# KiCad board hoember_panel.kicad_pcb (continued)
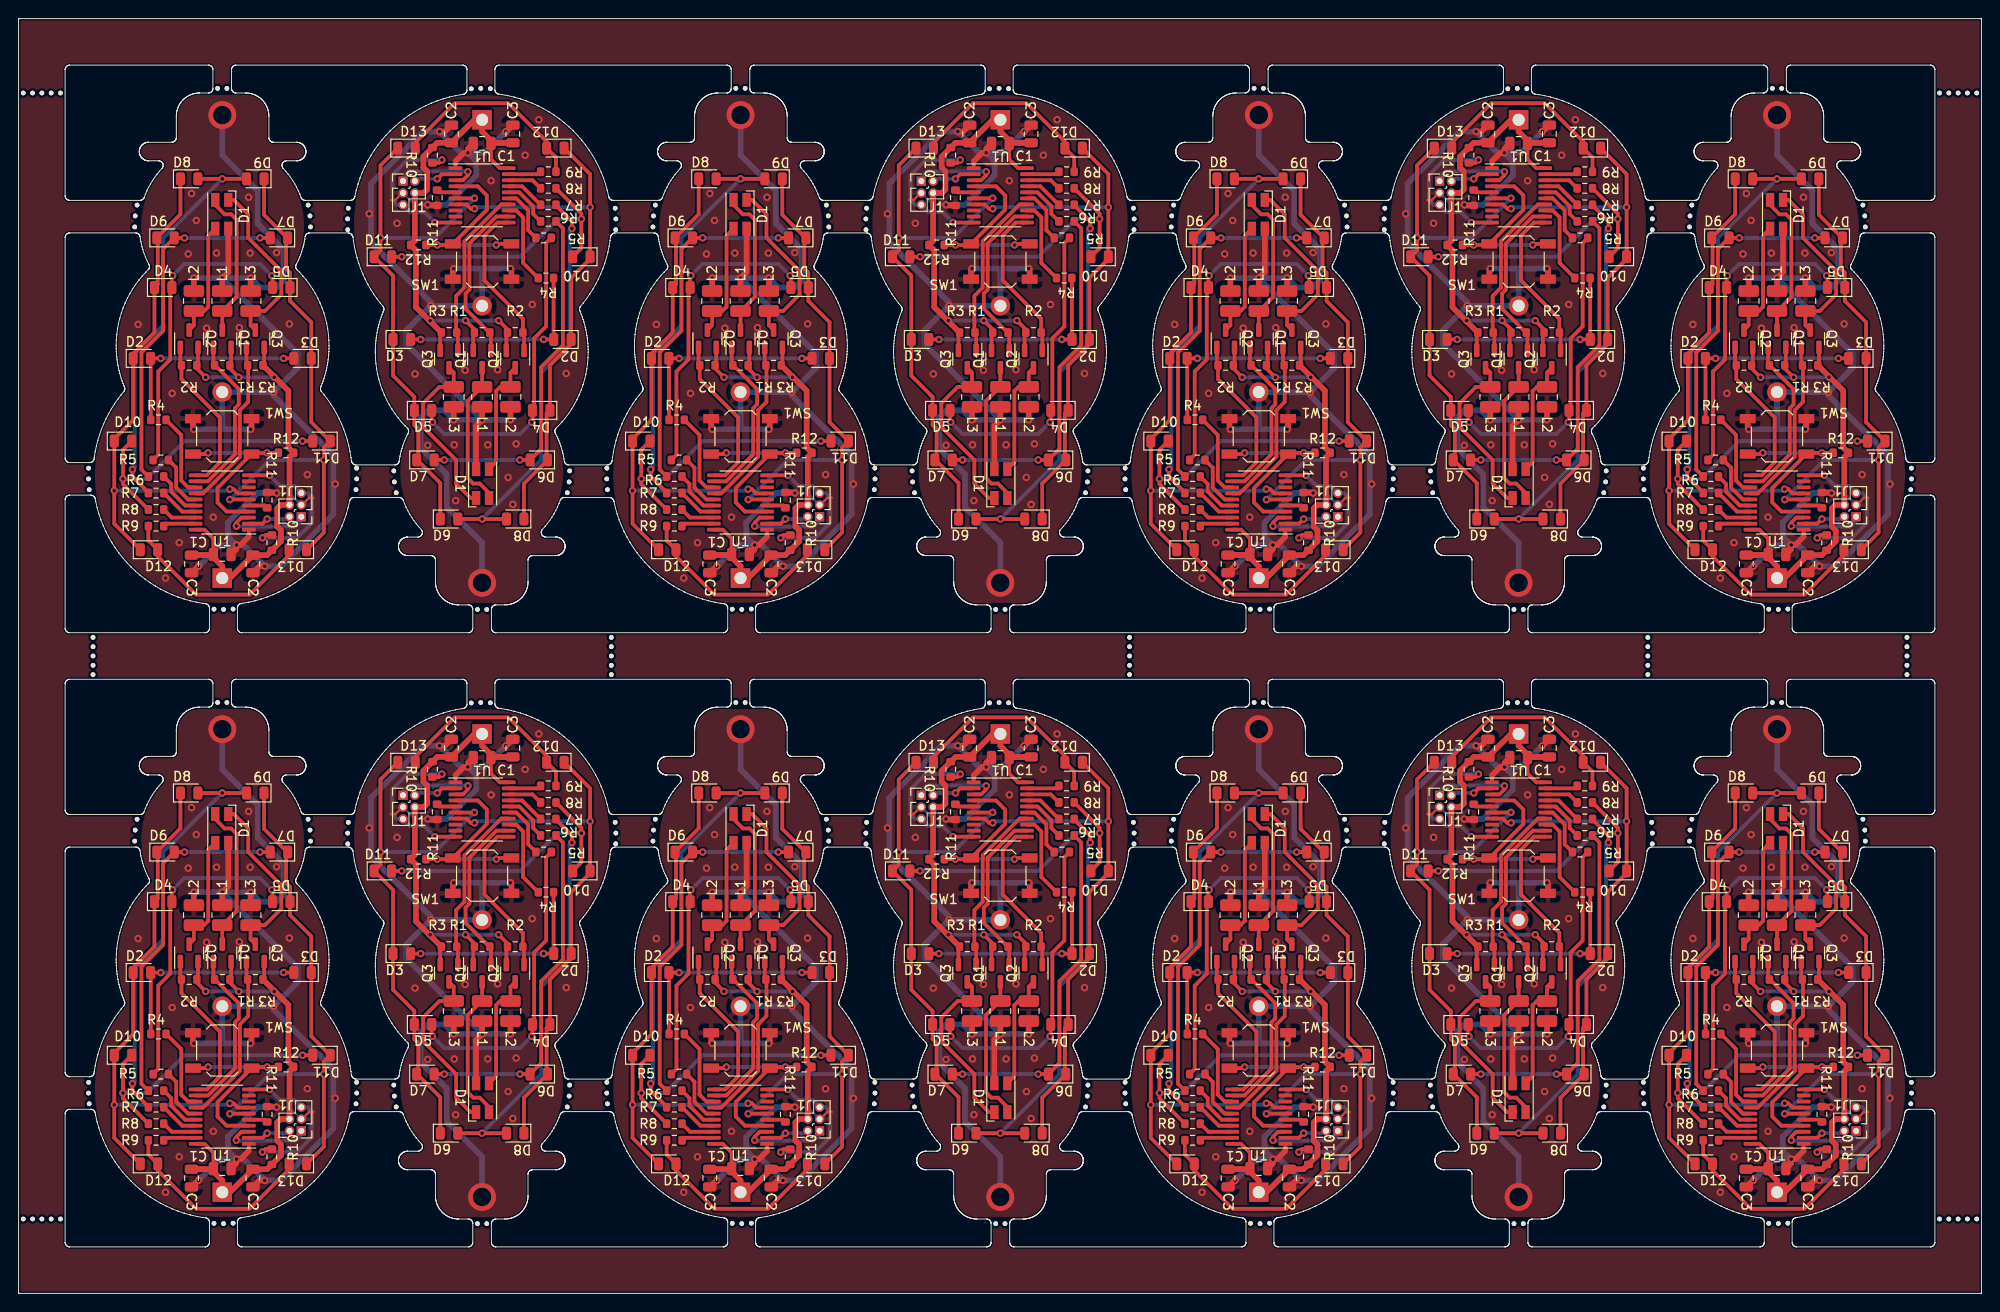
[diagram p0: board, top side]
## Routing (per net, layer and track width the routed paths; a pad name or vN(x,y) marks a point on that pad's centre or on a via; arc(x,y) is an arc through that point) (continued)
Board_6-/G: length 18.6
  Top w0.406: U1#10.14 186.94,86.01 190.9,89.97 190.9,94.95 191.79,95.85 191.79,99.73 R3#8.2 191.61,99.92 Q3#7.1
Board_6-/L1: length 9
  Top w0.406: U1#10.13 185.34,86.66 184.6,87.4 184.6,92.3 R4#2.2
Board_6-/L2: length 5.9
  Top w0.406: U1#10.15 185.34,85.36 184.05,86.65 184.05,88.78 R5#10.2
Board_6-/L3: length 5.2
  Top w0.406: R6#9.2 183.52,87.03 183.52,86.21 185.01,84.71 U1#10.16
Board_6-/L4: length 4.2
  Top w0.406: R7#8.2 184.7,84.06 U1#10.17
Board_6-/L5: length 3.8
  Top w0.406: R8#12.2 183.58,83.41 U1#10.18
Board_6-/L6: length 3.5
  Top w0.406: U1#10.19 182.98,82.76 R9#14.2
Board_6-/MPX1: length 58.3
  Top w0.406: D5.1 196.29,109.75 195.86,110.18 195.86,113.31 D7#7.1 195.98,113.49 193.49,115.98 D9#10.1 ; D5.1 196.03,108.41 ; D5.1 196.29,106.71 198.57,104.42 D3#13.1 198.57,93.68 D11#14.1 199.92,90.96 199.92,81.82 D13#9.1 ; U1#10.6 189.84,85.36 v1(189.82,85.35)
  Bottom w0.406: v1(189.82,85.35) 190.56,86.09 190.56,86.09 194.08,89.61 v1(199.92,89.61)
Board_6-/MPX2: length 59
  Top w0.406: D8#13.1 184.51,116.03 D6#4.1 ; U1#10.7 190.68,86.01 190.22,86.48 v1(189.82,86.48) ; 182.07,113.62 182.07,108.51 D4#6.1 181.71,103.32 179.43,101.03 D2#11.1 179.43,93.91 177.39,91.87 D10#10.1 v1(177.39,86.31) 177.39,82.75 D12#12.1
  Bottom w0.406: 189.73,86.56 v1(189.82,86.48) 189.65,86.31 v1(177.39,86.31)
Board_6-/nRST: length 17.6
  Top w0.406: v1(193.32,81.23) 193.63,81.55 R10#6.2 ; v1(194.08,87.96) U1#10.10
  Bottom w0.406: v1(193.32,81.23) 197.02,81.23 198.65,82.86 198.65,85.55 198.15,86.05 J1#8.5 196.73,86.82 195.23,86.82 v1(194.08,87.96)
Board_6-/R: length 17.3
  Top w0.406: U1#10.11 187.35,87.96 188.75,89.36 188.75,94.18 184.62,98.31 R2#9.2 184.49,99.92 Q2#2.1
Board_6-/SWC: length 9.6
  Top w0.406: v1(190.52,82.5) 190.52,82.88 191.06,83.41 U1#10.3
  Bottom w0.406: J1#8.1 197.5,83.12 196.83,82.46 190.56,82.46 v1(190.52,82.5)
Board_6-/SWD: length 4.7
  Top w0.406: v1(193.83,83.26) 193.33,82.76 U1#10.2
  Bottom w0.406: v1(193.83,83.26) 195.98,83.26 J1#8.2
Board_6-GND: length 131.7
  Top w0.254: J1#8.3 197.58,84.78 198.35,85.55 198.8,85.55
  Top w0.406: U1#10.1 191.86,81.36
  Top w0.61: C2#11.2 193,78.18 v1(193.57,78.18) ; C3#5.2 186.39,78.18 v1(186.46,78.18) ; SW1#3.2 192.15,93.02 v1(192.05,92.91) 192.05,93.17 ; v1(194.84,86.06) 194.78,86.12 R11#14.1 ; 191.86,81.36 190.97,80.47 v1(190.52,80.47) 190.52,80.03 C1#10.1 ; L2#12.2 v1(185.95,109.17) ; L3#13.2 v1(192.05,109.17) ; v1(185.95,92.91) 185.85,93.02 SW1#3.2 ; L1#14.2 v1(189,109.17) 189.65,109.82 D1#11.1
  Bottom w0.254: J1#8.3 197.49,84.78 196.21,86.06 v1(194.84,86.06)
  Bottom w0.61: v1(189,109.17) 197.13,101.04 197.13,99.52 v1(194.52,96.91) ; 189,92.91 v1(192.05,92.91) ; 189,92.91 BT1#9.2 v1(194.52,96.91) ; 189,92.91 v1(185.95,92.91) ; v1(190.52,80.47) 189.62,81.37 189.62,82.87 192.8,86.06 v1(194.84,86.06) ; v1(190.52,80.47) 188.75,80.47 v1(186.46,78.18) ; v1(190.52,80.47) 191.29,80.47 v1(193.57,78.18) 195.35,78.18 200.94,83.77 200.94,86.82 v1(201.14,87.02) 200.94,87.22 200.94,90.12 194.52,96.54 v1(194.52,96.91) ; v2(189.01,126.7) 189.01,122.37 192.81,118.57 192.81,115.02 195.6,112.23 195.6,108.92 194.84,108.15 193.06,108.15 v1(192.05,109.17) v1(185.95,109.17)
  vias: v1(179.96,104.19) v1(182.9,76.91) v1(183.61,96.77) v1(184.38,80.72) v1(185.34,111.76) v1(185.7,118.26) v1(186.21,115.37) v1(187.32,103.78) v1(188.03,83.46) v1(188.39,111.86) v1(190.83,103.84) v1(191.84,117.86) v1(192,111.86) v1(194.84,111.91) v1(196.21,104.24) v1(198.14,88.04)
Board_6-Net-(D1-BK): length 16
  Top w0.406: D1#11.4 188.25,117.03 189.25,116.03 189.96,116.03 190.54,115.45 190.54,107.14 189.04,105.63 L1#14.1 Q1#6.3
Board_6-Net-(D1-GK): length 19.2
  Top w0.406: Q3#7.3 192.05,104.09 L3#13.1 193.59,105.63 195.35,107.39 195.35,109.93 191.79,113.49 191.79,116.03 190.24,117.58 D1#11.3
Board_6-Net-(D1-RK): length 12.7
  Top w0.406: Q2#2.3 185.95,104.09 L2#12.1 187.05,105.63 187.5,106.08 187.5,113.73 D1#11.2
Board_6-Net-(D2-A): length 22.4
  Top w0.406: R4#2.1 181.32,100.52 D2#11.2 ; D2#11.2 v1(182.4,100.53) 182.14,100.53 ; D2#11.2 181.38,100.46 ; D3#13.2 v1(195.6,100.53)
  Bottom w0.406: v1(182.4,100.53) v1(195.6,100.53)
Board_6-Net-(D4-A): length 33.8
  Top w0.406: D4#6.2 183.59,109.35 v1(183.67,109.42) ; D4#6.2 183.41,107.98 183.41,100.41 182.12,99.12 182.12,90.16 R5#10.1 ; D4#6.2 183.67,108.08 ; v1(194.33,109.42) 194.41,109.35 D5.2
  Bottom w0.406: v1(194.33,109.42) 193.06,110.69 184.94,110.69 v1(183.67,109.42)
Board_6-Net-(D6-A): length 38
  Top w0.406: D7#7.2 v1(193.06,113.49) 193.32,113.49 ; R6#9.1 180.32,88.58 180.32,101.17 182.65,103.5 182.65,112.3 D6#4.2 v1(184.94,113.49)
  Bottom w0.406: v1(184.94,113.49) v1(193.06,113.49)
Board_6-Net-(D8-A): length 43.8
  Top w0.406: D8#13.2 v1(189,119.84) D9#10.2 ; v1(179.35,88.6) 179.35,87.83 181.13,86.06 R7#8.1
  Bottom w0.406: v1(179.35,88.6) 179.6,88.85 179.6,101.04 182.65,104.09 182.65,113.49 v1(189,119.84)
Board_6-Net-(D10-A): length 31.2
  Top w0.406: D11#14.2 v1(197.64,91.64) 197.89,91.64 ; D10#10.2 178.33,90.71 v1(178.33,87.58) 178.33,87.01 R8#12.1
  Bottom w0.406: v1(197.64,91.64) 184.94,91.64 180.87,87.58 v1(178.33,87.58)
Board_6-Net-(D12-A): length 21.8
  Top w0.406: R9#14.1 181.06,80.96 D12#12.2 182.06,79.26 186.19,75.13 191.95,75.13 196.19,79.38 D13#9.2
Board_6-Net-(SW1A-A): length 21.5
  Top w0.406: R12#5.1 v1(193.83,90.37) 192.27,90.37 SW1#3.1 188.49,86.59 188.49,85.04 189.47,84.06 U1#10.4 ; SW1#3.1 187.35,90.25 v1(187.48,90.37)
  Bottom w0.406: v1(193.83,90.37) v1(187.48,90.37)
Board_6-Net-(U1-PB6/PF4-BOOT0): length 2.1
  Top w0.406: R11#14.2 193.58,84.71 U1#10.5
Board_6-VCC: length 58.1
  Top w0.406: Q3#7.2 193.51,99.92 R3#8.1 ; Q1#6.2 189.95,99.92 R1#11.1 189.82,99.45 v1(190.78,98.5) ; Q2#2.2 186.39,99.92 R2#9.1 186.27,99.45 v1(187.22,98.5) ; U1#10.20 187.1,82.11 188.05,81.16 C1#10.2
  Top w0.61: R3#8.1 196.11,97.06 196.11,90.94 R12#5.2 196.23,89.92 J1#8.4 ; 195.97,84.78 195.27,84.78 194.91,84.42 194.91,82.45 195.31,82.04 195.31,80.88 R10#6.1 193.82,79.39 C2#11.1 189.83,76.91 BT1#9.1 189,78.18 187.8,79.39 C3#5.1 187.98,79.39 C1#10.2 ; 189.01,76.91 188.43,76.91
  Bottom w0.406: v1(187.22,98.5) v1(194.59,98.5)
Board_7-/B: length 18.2
  Top w0.406: U1#5.12 20.35,21.28 23.25,24.18 23.25,29.14 23.66,29.56 23.66,31.2 21.1,33.76 R1#12.2 20.94,33.88 Q1#12.1
Board_7-/G: length 18.6
  Top w0.406: U1#5.14 19.83,19.98 23.78,23.94 23.78,28.92 24.68,29.82 24.68,33.69 R3#14.2 24.49,33.88 Q3#2.1
Board_7-/L1: length 9
  Top w0.406: R4#7.2 17.48,26.27 17.48,21.37 18.22,20.63 U1#5.13
Board_7-/L2: length 5.9
  Top w0.406: U1#5.15 18.22,19.33 16.94,20.62 16.94,22.75 R5#14.2
Board_7-/L3: length 5.2
  Top w0.406: R6.2 16.4,21 16.4,20.17 17.89,18.68 U1#5.16
Board_7-/L4: length 4.2
  Top w0.406: U1#5.17 17.59,18.03 R7#4.2
Board_7-/L5: length 3.8
  Top w0.406: R8#7.2 16.46,17.38 U1#5.18
Board_7-/L6: length 3.5
  Top w0.406: U1#5.19 15.86,16.73 R9#10.2
Board_7-/MPX1: length 58.3
  Top w0.406: 28.92,42.37 D5#2.1 ; D5#2.1 29.17,40.67 31.46,38.39 D3.1 31.46,27.64 D11#5.1 32.81,24.93 32.81,15.78 D13#6.1 ; D5#2.1 29.17,43.71 28.74,44.14 28.74,47.28 D7#10.1 28.87,47.45 26.38,49.94 D9#6.1 ; U1#5.6 22.73,19.33 v1(22.71,19.32)
  Bottom w0.406: v1(32.81,23.58) 26.97,23.58 23.45,20.06 23.45,20.06 v1(22.71,19.32)
Board_7-/MPX2: length 59
  Top w0.406: U1#5.7 23.57,19.98 23.11,20.44 v1(22.7,20.44) ; D12#9.1 10.28,16.72 v1(10.28,20.28) D10#8.1 10.28,25.84 12.31,27.87 D2#2.1 12.31,35 14.6,37.29 D4#9.1 14.96,42.48 14.96,47.58 ; D6#3.1 17.39,49.99 D8#9.1
  Bottom w0.406: v1(10.28,20.28) 22.54,20.28 v1(22.7,20.44) 22.62,20.53
Board_7-/nRST: length 17.6
  Top w0.406: v1(26.97,21.93) U1#5.10 ; v1(26.2,15.2) 26.52,15.51 R10.2
  Bottom w0.406: v1(26.2,15.2) 29.91,15.2 31.54,16.82 31.54,19.51 31.04,20.02 J1#9.5 29.62,20.78 28.11,20.78 v1(26.97,21.93)
Board_7-/R: length 17.3
  Top w0.406: U1#5.11 20.24,21.93 21.63,23.32 21.63,28.15 17.51,32.28 R2#4.2 17.38,33.88 Q2#14.1
Board_7-/SWC: length 9.6
  Top w0.406: U1#5.3 23.95,17.38 23.41,16.84 v1(23.41,16.47)
  Bottom w0.406: v1(23.41,16.47) 23.45,16.42 29.72,16.42 30.39,17.09 J1#9.1
Board_7-/SWD: length 4.7
  Top w0.406: v1(26.71,17.23) 26.22,16.73 U1#5.2
  Bottom w0.406: v1(26.71,17.23) 28.87,17.23 J1#9.2
Board_7-GND: length 131.7
  Top w0.254: 31.69,19.51 31.23,19.51 30.47,18.75 J1#9.3
  Top w0.406: U1#5.1 24.75,15.33
  Top w0.61: D1#4.1 22.54,43.78 v1(21.89,43.14) L1#13.2 ; 24.93,27.13 v1(24.93,26.88) 25.04,26.98 SW1#14.2 ; L2#14.2 v1(18.84,43.14) ; v1(18.84,26.88) 18.74,26.98 SW1#14.2 ; v1(27.73,20.02) 27.67,20.08 R11#2.1 ; C1#9.1 23.41,13.99 v1(23.41,14.43) 23.85,14.43 24.75,15.33 ; v1(19.35,12.15) 19.28,12.15 C3.2 ; C2#2.2 25.88,12.15 v1(26.46,12.15) ; L3#7.2 v1(24.93,43.14)
  Bottom w0.254: J1#9.3 30.37,18.75 29.1,20.02 v1(27.73,20.02)
  Bottom w0.61: v1(18.84,26.88) 21.89,26.88 ; 21.89,26.88 v1(24.93,26.88) ; 21.89,26.88 BT1#5.2 v1(27.41,30.88) ; v1(23.41,14.43) 22.51,15.34 22.51,16.84 25.69,20.02 v1(27.73,20.02) ; v1(23.41,14.43) 24.17,14.43 v1(26.46,12.15) 28.24,12.15 33.82,17.74 33.82,20.78 v1(34.03,20.99) 33.82,21.19 33.82,24.09 27.41,30.5 v1(27.41,30.88) ; v1(23.41,14.43) 21.63,14.43 v1(19.35,12.15) ; v1(18.84,43.14) v1(24.93,43.14) 25.95,42.12 27.73,42.12 28.49,42.88 28.49,46.19 25.7,48.99 25.7,52.53 21.89,56.34 v2(21.89,60.66) ; v1(27.41,30.88) 30.01,33.48 30.01,35.01 v1(21.89,43.14)
  vias: v1(12.84,38.16) v1(15.79,10.88) v1(16.5,30.74) v1(17.26,14.69) v1(18.23,45.73) v1(18.58,52.23) v1(19.09,49.33) v1(20.21,37.75) v1(20.92,17.43) v1(21.28,45.83) v1(23.72,37.8) v1(24.73,51.82) v1(24.88,45.83) v1(27.73,45.88) v1(29.1,38.21) v1(31.03,22)
Board_7-Net-(D1-BK): length 16
  Top w0.406: Q1#12.3 L1#13.1 21.93,39.6 23.43,41.1 23.43,49.41 22.85,49.99 22.14,49.99 21.14,51 D1#4.4
Board_7-Net-(D1-GK): length 19.2
  Top w0.406: Q3#2.3 24.93,38.06 L3#7.1 26.48,39.6 28.24,41.36 28.24,43.9 24.68,47.45 24.68,49.99 23.13,51.54 D1#4.3
Board_7-Net-(D1-RK): length 12.7
  Top w0.406: D1#4.2 20.38,47.69 20.38,40.04 19.94,39.6 L2#14.1 18.84,38.06 Q2#14.3
Board_7-Net-(D2-A): length 22.4
  Top w0.406: 15.03,34.5 v1(15.28,34.5) D2#2.2 ; D3.2 v1(28.49,34.5) ; D2#2.2 14.2,34.48 R4#7.1 ; D2#2.2 14.27,34.42
  Bottom w0.406: v1(15.28,34.5) v1(28.49,34.5)
Board_7-Net-(D4-A): length 33.8
  Top w0.406: D5#2.2 27.3,43.31 v1(27.22,43.39) ; R5#14.1 15.01,24.13 15.01,33.09 16.3,34.38 16.3,41.94 D4#9.2 ; v1(16.55,43.39) 16.47,43.31 D4#9.2 ; 16.55,42.04 D4#9.2
  Bottom w0.406: v1(16.55,43.39) 17.82,44.66 25.95,44.66 v1(27.22,43.39)
Board_7-Net-(D6-A): length 38
  Top w0.406: v1(17.82,47.45) D6#3.2 15.54,46.26 15.54,37.47 13.2,35.14 13.2,22.55 R6.1 ; D7#10.2 v1(25.95,47.45) 26.2,47.45
  Bottom w0.406: v1(17.82,47.45) v1(25.95,47.45)
Board_7-Net-(D8-A): length 43.8
  Top w0.406: D8#9.2 v1(21.89,53.8) D9#6.2 ; R7#4.1 14.01,20.02 12.23,21.8 v1(12.23,22.56)
  Bottom w0.406: v1(12.23,22.56) 12.49,22.82 12.49,35.01 15.54,38.06 15.54,47.45 v1(21.89,53.8)
Board_7-Net-(D10-A): length 31.2
  Top w0.406: D11#5.2 v1(30.52,25.61) 30.78,25.61 ; D10#8.2 11.22,24.67 v1(11.22,21.55) 11.22,20.97 R8#7.1
  Bottom w0.406: v1(11.22,21.55) 13.76,21.55 17.82,25.61 v1(30.52,25.61)
Board_7-Net-(D12-A): length 21.8
  Top w0.406: D13#6.2 29.08,13.34 24.83,9.1 19.08,9.1 14.95,13.23 D12#9.2 13.95,14.93 R9#10.1
Board_7-Net-(SW1A-A): length 21.5
  Top w0.406: U1#5.4 22.35,18.03 21.38,19.01 21.38,20.56 SW1#14.1 25.16,24.34 v1(26.71,24.34) R12#10.1 ; v1(20.36,24.34) 20.24,24.22 SW1#14.1
  Bottom w0.406: v1(26.71,24.34) v1(20.36,24.34)
Board_7-Net-(U1-PB6/PF4-BOOT0): length 2.1
  Top w0.406: R11#2.2 26.47,18.68 U1#5.5
Board_7-VCC: length 58.1
  Top w0.406: v1(20.11,32.47) 19.16,33.42 R2#4.1 19.28,33.88 Q2#14.2 ; Q1#12.2 22.84,33.88 R1#12.1 22.71,33.42 v1(23.66,32.47) ; C1#9.2 20.94,15.13 19.99,16.08 U1#5.20 ; Q3#2.2 26.39,33.88 R3#14.1
  Top w0.61: J1#9.4 29.12,23.89 R12#10.2 29,24.91 29,31.03 R3#14.1 ; C1#9.2 20.87,13.35 C3.1 20.68,13.35 21.89,12.15 BT1#5.1 22.71,10.88 C2#2.1 26.71,13.35 R10.1 28.2,14.84 28.2,16.01 27.79,16.42 27.79,18.39 28.15,18.75 28.86,18.75 ; 21.89,10.88 21.31,10.88
  Bottom w0.406: v1(20.11,32.47) v1(27.47,32.47)
Board_8-/B: length 18.2
  Top w0.406: U1#3.12 51.35,49.75 48.45,46.85 48.45,41.89 48.04,41.48 48.04,39.84 50.6,37.28 R1#2.2 50.77,37.15 Q1#10.1
Board_8-/G: length 18.6
  Top w0.406: Q3.1 47.21,37.15 R3#12.2 47.02,37.34 47.02,41.22 47.92,42.11 47.92,47.1 51.88,51.05 U1#3.14
Board_8-/L1: length 9
  Top w0.406: R4#12.2 54.22,44.77 54.22,49.66 53.48,50.4 U1#3.13
Board_8-/L2: length 5.9
  Top w0.406: R5#7.2 54.77,48.28 54.77,50.42 53.48,51.7 U1#3.15
Board_8-/L3: length 5.2
  Top w0.406: R6#12.2 55.3,50.04 55.3,50.86 53.81,52.35 U1#3.16
Board_8-/L4: length 4.2
  Top w0.406: R7#5.2 54.11,53 U1#3.17
Board_8-/L5: length 3.8
  Top w0.406: U1#3.18 55.24,53.65 R8#14.2
Board_8-/L6: length 3.5
  Top w0.406: U1#3.19 55.84,54.3 R9#13.2
Board_8-/MPX1: length 58.3
  Top w0.406: v1(48.99,51.72) 48.98,51.7 U1#3.6 ; D5#10.1 42.53,30.36 40.24,32.65 D3#5.1 40.24,43.39 D11#9.1 38.9,46.11 38.9,55.25 D13#3.1 ; D5#10.1 42.78,28.66 ; D5#10.1 42.53,27.32 42.96,26.89 42.96,23.76 D7#4.1 42.84,23.58 45.32,21.09 D9#5.1
  Bottom w0.406: v1(48.99,51.72) 48.25,50.98 48.25,50.97 44.74,47.46 v1(38.9,47.46)
Board_8-/MPX2: length 59
  Top w0.406: D8#11.1 54.31,21.04 D6#10.1 ; v1(49,50.59) 48.6,50.59 48.13,51.05 U1#3.7 ; D12#10.1 61.42,54.31 v1(61.42,50.76) D10#3.1 61.42,45.19 59.39,43.16 D2#5.1 59.39,36.03 57.11,33.75 D4#14.1 56.75,28.56 56.75,23.45
  Bottom w0.406: v1(61.42,50.76) 49.17,50.76 v1(49,50.59) 49.09,50.5
Board_8-/nRST: length 17.6
  Top w0.406: v1(44.74,49.1) U1#3.10 ; v1(45.5,55.84) 45.18,55.52 R10#12.2
  Bottom w0.406: v1(44.74,49.1) 43.59,50.25 42.09,50.25 J1#14.5 40.67,51.02 40.17,51.52 40.17,54.21 41.79,55.84 v1(45.5,55.84)
Board_8-/R: length 17.3
  Top w0.406: Q2#12.1 54.32,37.15 R2#12.2 54.2,38.76 50.07,42.88 50.07,47.71 51.47,49.1 U1#3.11
Board_8-/SWC: length 9.6
  Top w0.406: v1(48.29,54.57) 48.29,54.19 47.76,53.65 U1#3.3
  Bottom w0.406: v1(48.29,54.57) 48.25,54.61 41.99,54.61 41.32,53.94 J1#14.1
Board_8-/SWD: length 4.7
  Top w0.406: U1#3.2 45.49,54.3 v1(44.99,53.81)
  Bottom w0.406: v1(44.99,53.81) 42.84,53.81 J1#14.2
Board_8-GND: length 131.7
  Top w0.254: 40.01,51.52 40.47,51.52 41.24,52.29 J1#14.3
  Top w0.406: U1#3.1 46.96,55.7
  Top w0.61: D1.1 49.17,27.25 v1(49.82,27.9) L1#12.2 ; L2#9.2 v1(52.87,27.9) ; L3.2 v1(46.77,27.9) ; 46.77,43.9 v1(46.77,44.15) 46.67,44.05 SW1#4.2 ; v1(52.87,44.15) 52.97,44.05 SW1#4.2 ; C2#12.2 45.82,58.89 v1(45.25,58.89) ; C3#8.2 52.42,58.89 v1(52.36,58.89) ; C1#5.1 48.29,57.04 v1(48.29,56.6) 47.85,56.6 46.96,55.7 ; v1(43.98,51.01) 44.04,50.95 R11#4.1
  Bottom w0.254: v1(43.98,51.01) 42.6,51.01 41.33,52.29 J1#14.3
  Bottom w0.61: v1(48.29,56.6) 47.53,56.6 v1(45.25,58.89) 43.47,58.89 37.88,53.3 37.88,50.25 v1(37.68,50.05) 37.88,49.84 37.88,46.95 44.3,40.53 v1(44.3,40.16) ; v1(48.29,56.6) 49.2,55.7 49.2,54.19 46.02,51.01 v1(43.98,51.01) ; v1(48.29,56.6) 50.07,56.6 v1(52.36,58.89) ; v2(49.81,10.37) 49.81,14.7 46.01,18.5 46.01,22.05 43.21,24.84 43.21,28.15 43.98,28.91 45.75,28.91 v1(46.77,27.9) v1(52.87,27.9) ; 49.82,44.15 v1(46.77,44.15) ; 49.82,44.15 BT1#6.2 v1(44.3,40.16) ; 49.82,44.15 v1(52.87,44.15) ; v1(44.3,40.16) 41.69,37.55 41.69,36.03 v1(49.82,27.9)
  vias: v1(40.67,49.03) v1(42.6,32.83) v1(43.98,25.16) v1(46.82,25.21) v1(46.97,19.21) v1(47.99,33.23) v1(50.43,25.21) v1(50.78,53.6) v1(51.49,33.28) v1(52.61,21.7) v1(53.12,18.81) v1(53.48,25.31) v1(54.44,56.35) v1(55.2,40.29) v1(55.91,60.16) v1(58.86,32.88)
Board_8-Net-(D1-BK): length 16
  Top w0.406: Q1#10.3 L1#12.1 49.78,31.43 48.27,29.93 48.27,21.62 48.85,21.04 49.56,21.04 50.57,20.04 D1.4
Board_8-Net-(D1-GK): length 19.2
  Top w0.406: Q3.3 46.77,32.98 L3.1 45.23,31.43 43.47,29.68 43.47,27.14 47.02,23.58 47.02,21.04 48.57,19.49 D1.3
Board_8-Net-(D1-RK): length 12.7
  Top w0.406: Q2#12.3 52.87,32.98 L2#9.1 51.77,31.43 51.32,30.99 51.32,23.34 D1.2
Board_8-Net-(D2-A): length 22.4
  Top w0.406: D2#5.2 v1(56.42,36.53) 56.68,36.53 ; D2#5.2 57.5,36.55 R4#12.1 ; D2#5.2 57.44,36.61 ; D3#5.2 v1(43.21,36.53)
  Bottom w0.406: v1(56.42,36.53) v1(43.21,36.53)
Board_8-Net-(D4-A): length 33.8
  Top w0.406: D4#14.2 55.23,27.72 v1(55.15,27.64) ; D4#14.2 55.15,28.99 ; D4#14.2 55.41,29.09 55.41,36.65 56.7,37.95 56.7,46.91 R5#7.1 ; v1(44.48,27.64) 44.41,27.72 D5#10.2
  Bottom w0.406: v1(44.48,27.64) 45.75,26.37 53.88,26.37 v1(55.15,27.64)
Board_8-Net-(D6-A): length 38
  Top w0.406: v1(53.88,23.58) D6#10.2 56.17,24.77 56.17,33.56 58.5,35.9 58.5,48.49 R6#12.1 ; 45.5,23.58 v1(45.75,23.58) D7#4.2
  Bottom w0.406: v1(53.88,23.58) v1(45.75,23.58)
Board_8-Net-(D8-A): length 43.8
  Top w0.406: D8#11.2 v1(49.82,17.23) D9#5.2 ; R7#5.1 57.69,51.01 59.47,49.23 v1(59.47,48.47)
  Bottom w0.406: v1(49.82,17.23) 56.17,23.58 56.17,32.98 59.22,36.03 59.22,48.22 v1(59.47,48.47)
Board_8-Net-(D10-A): length 31.2
  Top w0.406: 40.93,45.42 v1(41.18,45.42) D11#9.2 ; R8#14.1 60.49,50.06 v1(60.49,49.49) 60.49,46.36 D10#3.2
  Bottom w0.406: v1(60.49,49.49) 57.95,49.49 53.88,45.42 v1(41.18,45.42)
Board_8-Net-(D12-A): length 21.8
  Top w0.406: R9#13.1 57.76,56.11 D12#10.2 56.75,57.81 52.63,61.93 46.87,61.93 42.63,57.69 D13#3.2
Board_8-Net-(SW1A-A): length 21.5
  Top w0.406: R12#8.1 v1(44.99,46.69) 46.55,46.69 SW1#4.1 50.33,50.47 50.33,52.03 49.35,53 U1#3.4 ; v1(51.34,46.69) 51.46,46.82 SW1#4.1
  Bottom w0.406: v1(44.99,46.69) v1(51.34,46.69)
Board_8-Net-(U1-PB6/PF4-BOOT0): length 2.1
  Top w0.406: U1#3.5 45.24,52.35 R11#4.2
Board_8-VCC: length 58.1
  Top w0.406: Q2#12.2 52.42,37.15 R2#12.1 52.55,37.61 v1(51.6,38.57) ; Q3.2 45.31,37.15 R3#12.1 ; Q1#10.2 48.87,37.15 R1#2.1 48.99,37.61 v1(48.04,38.57) ; C1#5.2 50.77,55.9 51.72,54.95 U1#3.20
  Top w0.61: J1#14.4 42.59,47.15 R12#8.2 42.71,46.12 42.71,40.01 R3#12.1 ; C1#5.2 50.83,57.68 C3#8.1 51.02,57.68 49.82,58.89 BT1#6.1 48.99,60.16 C2#12.1 45,57.68 R10#12.1 43.5,56.19 43.5,55.02 43.91,54.62 43.91,52.65 43.55,52.29 42.84,52.29 ; 49.81,60.16 50.39,60.16
  Bottom w0.406: v1(51.6,38.57) v1(44.23,38.57)
Board_9-/B: length 18.2
  Top w0.406: Q1#4.1 76.64,33.88 R1#3.2 76.81,33.76 79.37,31.2 79.37,29.56 78.95,29.14 78.95,24.18 76.06,21.28 U1.12
Board_9-/G: length 18.6
  Top w0.406: Q3#13.1 80.2,33.88 R3#10.2 80.38,33.69 80.38,29.82 79.49,28.92 79.49,23.94 75.53,19.98 U1.14
Board_9-/L1: length 9
  Top w0.406: R4#8.2 73.19,26.27 73.19,21.37 73.93,20.63 U1.13
Board_9-/L2: length 5.9
  Top w0.406: U1.15 73.93,19.33 72.64,20.62 72.64,22.75 R5#5.2
Board_9-/L3: length 5.2
  Top w0.406: R6#3.2 72.11,21 72.11,20.17 73.6,18.68 U1.16
Board_9-/L4: length 4.2
  Top w0.406: R7#9.2 73.29,18.03 U1.17
Board_9-/L5: length 3.8
  Top w0.406: R8#11.2 72.17,17.38 U1.18
Board_9-/L6: length 3.5
  Top w0.406: R9#2.2 71.57,16.73 U1.19
Board_9-/MPX1: length 58.3
  Top w0.406: D5#3.1 84.88,40.67 87.16,38.39 D3#11.1 87.16,27.64 D11#11.1 88.51,24.93 88.51,15.78 D13#14.1 ; D5#3.1 84.62,42.37 ; D5#3.1 84.88,43.71 84.45,44.14 84.45,47.28 D7#9.1 84.57,47.45 82.08,49.94 D9#7.1 ; U1.6 78.43,19.33 v1(78.42,19.32)
  Bottom w0.406: v1(78.42,19.32) 79.16,20.06 79.16,20.06 82.67,23.58 v1(88.51,23.58)
Board_9-/MPX2: length 59
  Top w0.406: D12#2.1 65.99,16.72 v1(65.99,20.28) D10#5.1 65.99,25.84 68.02,27.87 D2#3.1 68.02,35 70.3,37.29 D4#10.1 70.66,42.48 70.66,47.58 ; D6#8.1 73.1,49.99 D8#14.1 ; U1.7 79.28,19.98 78.81,20.44 v1(78.41,20.44)
  Bottom w0.406: v1(65.99,20.28) 78.24,20.28 v1(78.41,20.44) 78.32,20.53
Board_9-/nRST: length 17.6
  Top w0.406: v1(82.67,21.93) U1.10 ; R10#10.2 82.23,15.51 v1(81.91,15.2)
  Bottom w0.406: v1(81.91,15.2) 85.62,15.2 87.24,16.82 87.24,19.51 86.74,20.02 J1#5.5 85.32,20.78 83.82,20.78 v1(82.67,21.93)
Board_9-/R: length 17.3
  Top w0.406: Q2#7.1 73.08,33.88 R2#8.2 73.21,32.28 77.34,28.15 77.34,23.32 75.94,21.93 U1.11
Board_9-/SWC: length 9.6
  Top w0.406: U1.3 79.65,17.38 79.11,16.84 v1(79.11,16.47)
  Bottom w0.406: v1(79.11,16.47) 79.16,16.42 85.42,16.42 86.09,17.09 J1#5.1
Board_9-/SWD: length 4.7
  Top w0.406: U1.2 81.92,16.73 v1(82.42,17.23)
  Bottom w0.406: J1#5.2 84.57,17.23 v1(82.42,17.23)
Board_9-GND: length 131.7
  Top w0.254: J1#5.3 86.17,18.75 86.94,19.51 87.4,19.51
  Top w0.406: U1.1 80.45,15.33
  Top w0.61: v1(83.43,20.02) 83.37,20.08 R11#13.1 ; L3#14.2 v1(80.64,43.14) ; C3#6.2 74.98,12.15 v1(75.05,12.15) ; L2#13.2 v1(74.54,43.14) ; 80.64,27.13 v1(80.64,26.88) 80.74,26.98 SW1#5.2 ; v1(82.16,12.15) 81.59,12.15 C2#9.2 ; v1(74.54,26.88) 74.44,26.98 SW1#5.2 ; L1#8.2 v1(77.59,43.14) 78.24,43.78 D1#2.1 ; 80.45,15.33 79.56,14.43 v1(79.11,14.43) 79.11,13.99 C1#2.1
  Bottom w0.254: v1(83.43,20.02) 84.8,20.02 86.08,18.75 J1#5.3
  Bottom w0.61: v1(74.54,43.14) v1(80.64,43.14) 81.65,42.12 83.43,42.12 84.19,42.88 84.19,46.19 81.4,48.99 81.4,52.53 77.6,56.34 v2(77.6,60.66) ; v1(79.11,14.43) 78.21,15.34 78.21,16.84 81.39,20.02 v1(83.43,20.02) ; v1(79.11,14.43) 79.88,14.43 v1(82.16,12.15) 83.94,12.15 89.53,17.74 89.53,20.78 v1(89.73,20.99) 89.53,21.19 89.53,24.09 83.11,30.5 v1(83.11,30.88) ; v1(79.11,14.43) 77.34,14.43 v1(75.05,12.15) ; 77.59,26.88 BT1#4.2 v1(83.11,30.88) ; 77.59,26.88 v1(80.64,26.88) ; 77.59,26.88 v1(74.54,26.88) ; v1(77.59,43.14) 85.72,35.01 85.72,33.48 v1(83.11,30.88)
  vias: v1(68.55,38.16) v1(71.49,10.88) v1(72.21,30.74) v1(72.97,14.69) v1(73.93,45.73) v1(74.29,52.23) v1(74.8,49.33) v1(75.91,37.75) v1(76.63,17.43) v1(76.98,45.83) v1(79.42,37.8) v1(80.44,51.82) v1(80.59,45.83) v1(83.43,45.88) v1(84.8,38.21) v1(86.73,22)
Board_9-Net-(D1-BK): length 16
  Top w0.406: Q1#4.3 L1#8.1 77.63,39.6 79.14,41.1 79.14,49.41 78.56,49.99 77.84,49.99 76.84,51 D1#2.4
Board_9-Net-(D1-GK): length 19.2
  Top w0.406: D1#2.3 78.83,51.54 80.38,49.99 80.38,47.45 83.94,43.9 83.94,41.36 82.18,39.6 L3#14.1 80.64,38.06 Q3#13.3
Board_9-Net-(D1-RK): length 12.7
  Top w0.406: Q2#7.3 74.54,38.06 L2#13.1 75.64,39.6 76.09,40.04 76.09,47.69 D1#2.2
Board_9-Net-(D2-A): length 22.4
  Top w0.406: 69.97,34.42 D2#3.2 ; D2#3.2 v1(70.99,34.5) 70.73,34.5 ; D2#3.2 69.91,34.48 R4#8.1 ; D3#11.2 v1(84.19,34.5)
  Bottom w0.406: v1(70.99,34.5) v1(84.19,34.5)
Board_9-Net-(D4-A): length 33.8
  Top w0.406: R5#5.1 70.71,24.13 70.71,33.09 72,34.38 72,41.94 D4#10.2 ; 72.26,42.04 D4#10.2 ; D4#10.2 72.18,43.31 v1(72.26,43.39) ; D5#3.2 83,43.31 v1(82.92,43.39)
  Bottom w0.406: v1(72.26,43.39) 73.53,44.66 81.65,44.66 v1(82.92,43.39)
Board_9-Net-(D6-A): length 38
  Top w0.406: 81.91,47.45 v1(81.65,47.45) D7#9.2 ; R6#3.1 68.91,22.55 68.91,35.14 71.24,37.47 71.24,46.26 D6#8.2 v1(73.53,47.45)
  Bottom w0.406: v1(73.53,47.45) v1(81.65,47.45)
Board_9-Net-(D8-A): length 43.8
  Top w0.406: v1(67.94,22.56) 67.94,21.8 69.72,20.02 R7#9.1 ; D8#14.2 v1(77.59,53.8) D9#7.2
  Bottom w0.406: v1(77.59,53.8) 71.24,47.45 71.24,38.06 68.19,35.01 68.19,22.82 v1(67.94,22.56)
Board_9-Net-(D10-A): length 31.2
  Top w0.406: D10#5.2 66.92,24.67 v1(66.92,21.55) 66.92,20.97 R8#11.1 ; 86.48,25.61 v1(86.23,25.61) D11#11.2
  Bottom w0.406: v1(66.92,21.55) 69.46,21.55 73.53,25.61 v1(86.23,25.61)
Board_9-Net-(D12-A): length 21.8
  Top w0.406: R9#2.1 69.65,14.93 D12#2.2 70.65,13.23 74.78,9.1 80.54,9.1 84.78,13.34 D13#14.2
Board_9-Net-(SW1A-A): length 21.5
  Top w0.406: U1.4 78.06,18.03 77.08,19.01 77.08,20.56 SW1#5.1 80.86,24.34 v1(82.42,24.34) R12#4.1 ; SW1#5.1 75.94,24.22 v1(76.07,24.34)
  Bottom w0.406: v1(82.42,24.34) v1(76.07,24.34)
Board_9-Net-(U1-PB6/PF4-BOOT0): length 2.1
  Top w0.406: R11#13.2 82.17,18.68 U1.5
Board_9-VCC: length 58.1
  Top w0.406: U1.20 75.69,16.08 76.64,15.13 C1#2.2 ; R3#10.1 82.1,33.88 Q3#13.2 ; Q2#7.2 74.98,33.88 R2#8.1 74.86,33.42 v1(75.81,32.47) ; Q1#4.2 78.54,33.88 R1#3.1 78.42,33.42 v1(79.37,32.47)
  Top w0.61: J1#5.4 84.82,23.89 R12#4.2 84.7,24.91 84.7,31.03 R3#10.1 ; C1#2.2 76.57,13.35 C3#6.1 76.39,13.35 77.59,12.15 BT1#4.1 78.42,10.88 C2#9.1 82.41,13.35 R10#10.1 83.9,14.84 83.9,16.01 83.5,16.42 83.5,18.39 83.86,18.75 84.57,18.75 ; 77.6,10.88 77.02,10.88
  Bottom w0.406: v1(75.81,32.47) v1(83.18,32.47)
Board_10-/B: length 18.2
  Top w0.406: U1#8.12 107.06,49.75 104.16,46.85 104.16,41.89 103.74,41.48 103.74,39.84 106.3,37.28 R1#10.2 106.47,37.15 Q1#3.1
Board_10-/G: length 18.6
  Top w0.406: Q3#4.1 102.92,37.15 R3#3.2 102.73,37.34 102.73,41.22 103.63,42.11 103.63,47.1 107.58,51.05 U1#8.14
Board_10-/L1: length 9
  Top w0.406: U1#8.13 109.19,50.4 109.93,49.66 109.93,44.77 R4#13.2
Board_10-/L2: length 5.9
  Top w0.406: R5#3.2 110.47,48.28 110.47,50.42 109.19,51.7 U1#8.15
Board_10-/L3: length 5.2
  Top w0.406: R6#10.2 111.01,50.04 111.01,50.86 109.52,52.35 U1#8.16
Board_10-/L4: length 4.2
  Top w0.406: U1#8.17 109.82,53 R7#10.2
Board_10-/L5: length 3.8
  Top w0.406: U1#8.18 110.95,53.65 R8#10.2
Board_10-/L6: length 3.5
  Top w0.406: U1#8.19 111.54,54.3 R9#12.2
Board_10-/MPX1: length 58.3
  Top w0.406: U1#8.6 104.68,51.7 v1(104.7,51.72) ; D13#11.1 94.6,55.25 94.6,46.11 D11#7.1 95.95,43.39 D3#12.1 95.95,32.65 98.24,30.36 D5#13.1 ; D5#13.1 98.24,27.32 98.66,26.89 98.66,23.76 D7#3.1 98.54,23.58 101.03,21.09 D9#11.1 ; D5#13.1 98.49,28.66